# KiCad board OctoCom.kicad_pcb (continued)
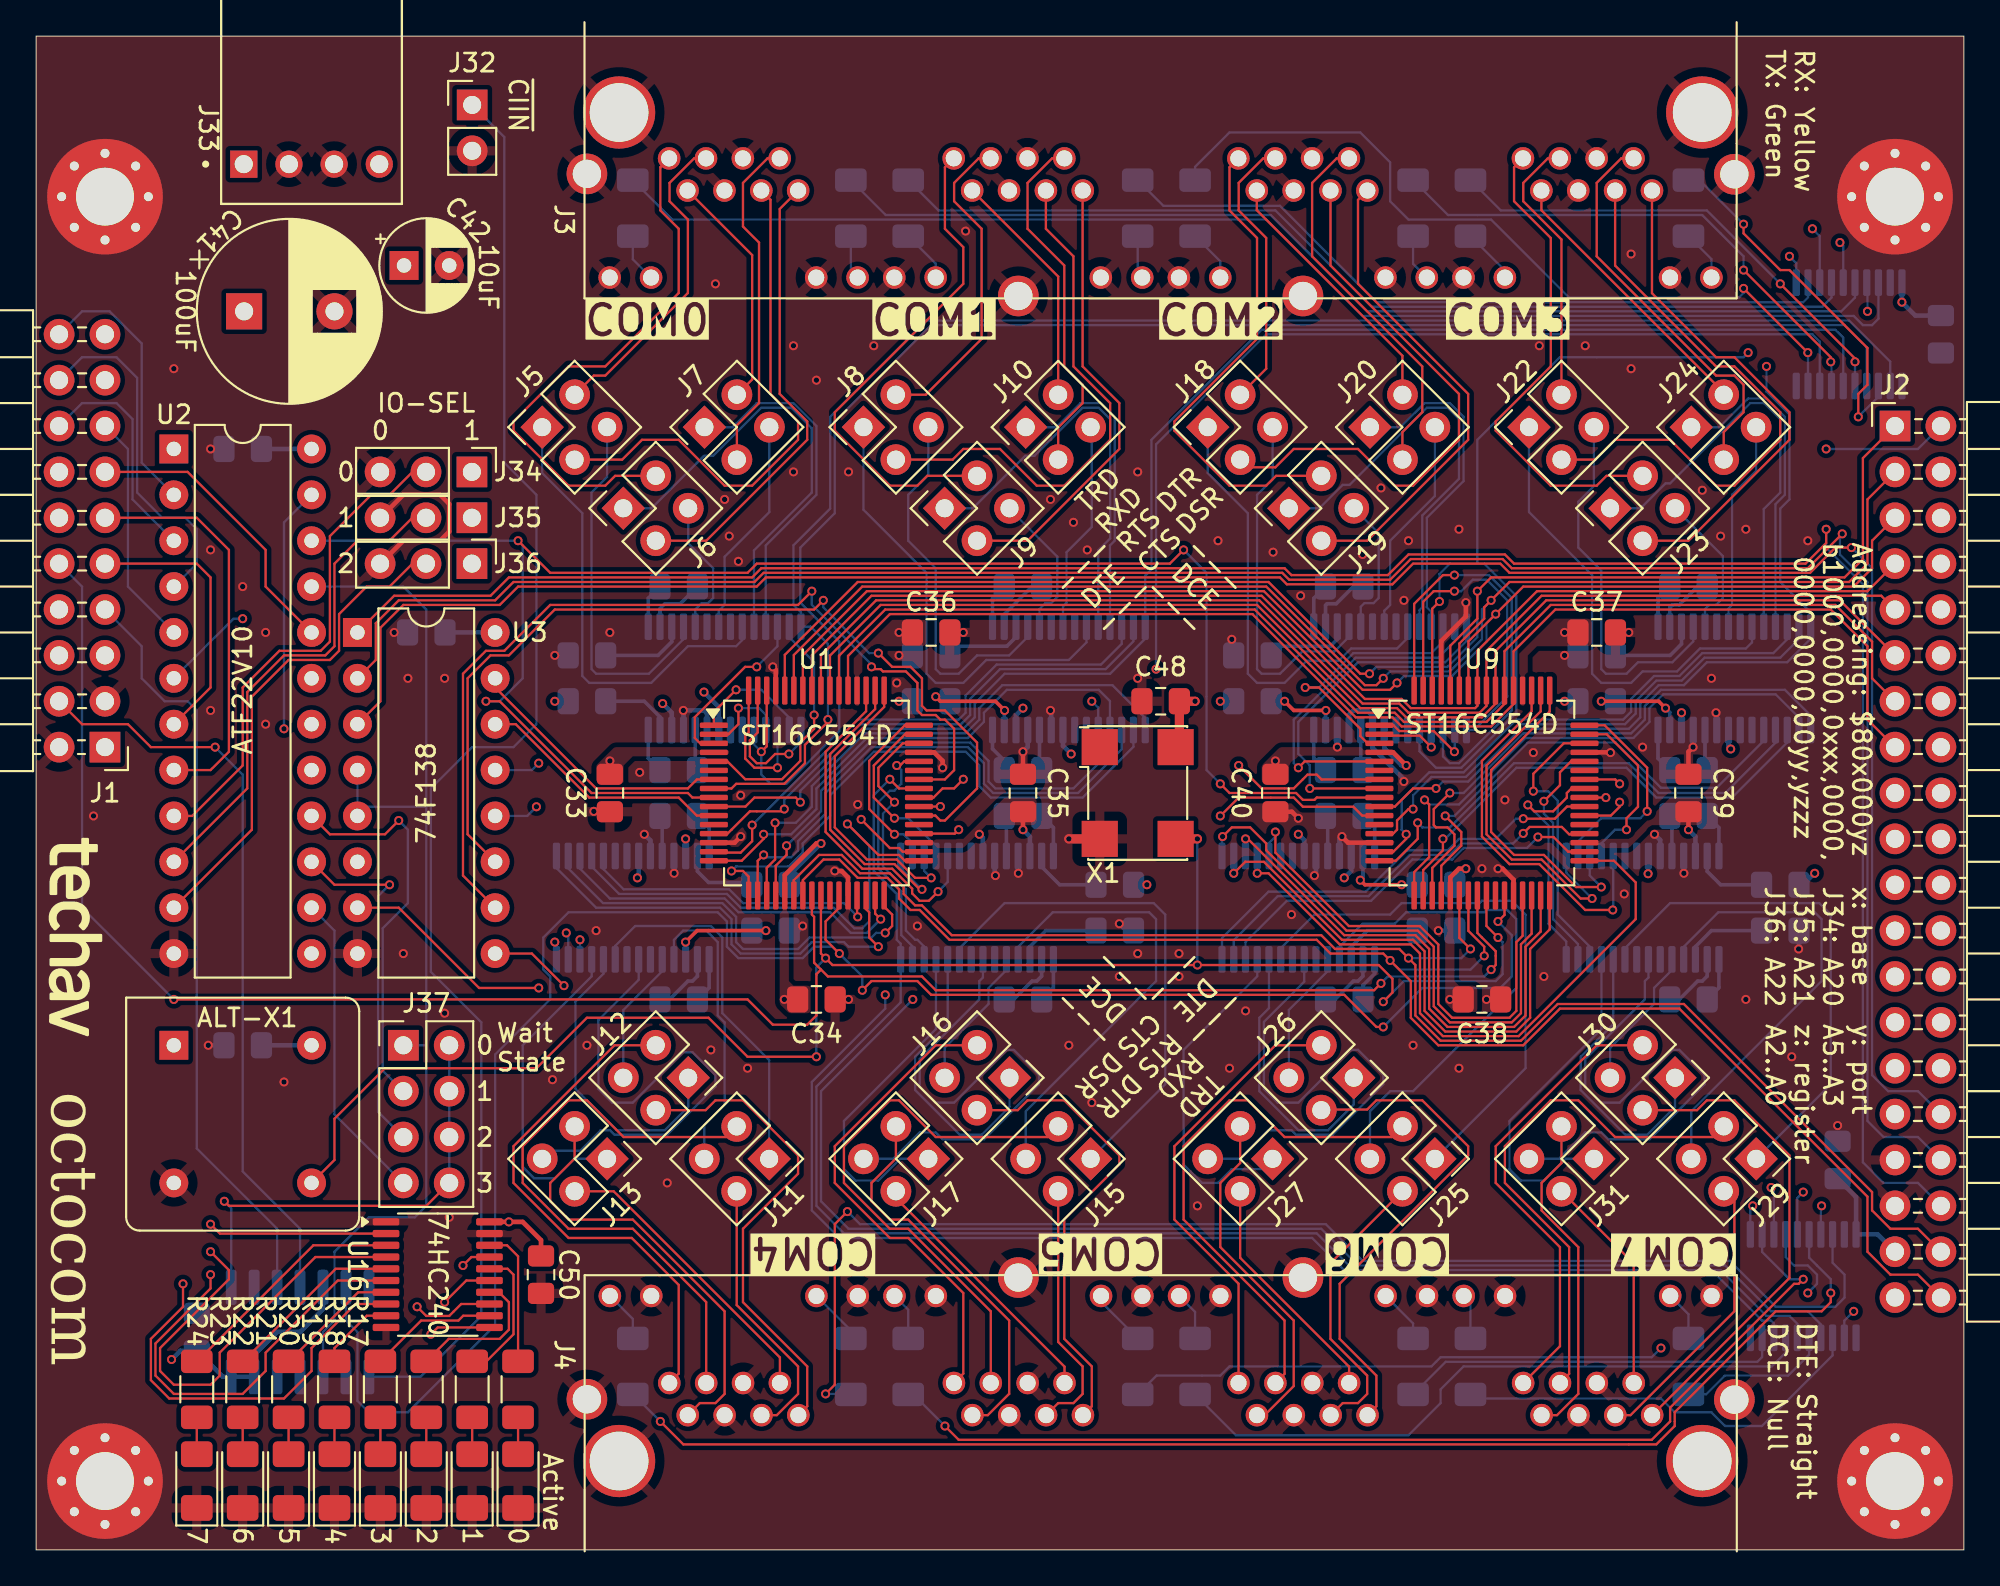
[diagram p0: board, top side]
## Routing (per net, layer and track width the routed paths; a pad name or vN(x,y) marks a point on that pad's centre or on a via; arc(x,y) is an arc through that point) (continued)
/COM7-C1+: length 2.5
  Bottom w0.2: U14.28 93.12,39.99 C29.1
/COM7-C1-: length 2.3
  Bottom w0.2: C29.2 90.53,40.52 U14.24
/COM7-C2+: length 2.5
  Bottom w0.2: U14.1 93.12,31.13 C31.1
/COM7-C2-: length 3.5
  Bottom w0.2: U14.2 92.47,31.77 92.2,31.5 91.95,31.5 90.93,30.48 C31.2
/COM7-CS-LED: length 2
  Top w0.127: D8.2 R24.2
/COM7-CS-LED-R: length 13.1
  Top w0.127: R24.1 8.92,10.44 15.34,16.86 U16.3
/COM7-CTS: length 9.9
  Top w0.127: U9.47 86.92,45.16 88.65,43.43 88.65,41.15 88.01,40.51 v1(88.01,39.88)
  Bottom w0.127: v1(88.01,39.88) 87.38,39.88 86.62,39.13 U14.18
/COM7-CTS232: length 8
  Bottom w0.127: U14.5 90.53,32.1 89.53,31.11 89.53,30.23 87.1,27.79 J30.4
/COM7-DCD: length 18.5
  Top w0.127: U9.49 83.76,46.42 80.52,43.18 80.52,39.75 81.79,38.48 83.44,38.48 85.22,36.7 v1(86.61,36.7)
  Bottom w0.127: v1(86.61,36.7) 85.97,37.34 U14.17
/COM7-DSR: length 12.2
  Top w0.127: U9.48 86.8,45.66 89.15,43.31 v1(89.15,40.89)
  Bottom w0.127: 85.32,38.42 85.32,39.22 86.61,40.51 88.77,40.51 v1(89.15,40.89)
/COM7-DSR232: length 29.5
  Bottom w0.127: J31.4 84.26,21.65 85.72,23.11 86.61,23.11 87,22.73 89.28,22.73 92.33,25.78 92.33,26.29 90.93,27.69 90.55,27.69 87.63,24.77 86.61,24.77 85.72,25.65 85.72,27.18 89.03,30.48 89.03,31.5 89.22,31.69 U14.7
/COM7-DTR: length 15.6
  Top w0.127: U9.46 84.54,44.66 82.85,42.98 v1(82.85,42.01)
  Bottom w0.127: U14.12 85.97,33.4 84.2,35.18 84.2,41.48 83.67,42.01 v1(82.85,42.01)
/COM7-DTR232: length 19.2
  Bottom w0.127: J31.1 84.65,21.65 83.44,20.45 82.17,20.45 81.53,21.08 81.53,23.75 86.62,28.84 U14.11
/COM7-P2: length 29
  Top w0.127: J29.3 92.8,22.86 87.38,22.86 85.34,24.89 83.82,24.89 81.28,22.35 81.28,20.32 84.84,16.76 84.84,9.75 J4.D6
/COM7-P3: length 15.9
  Top w0.127: J29.2 93.98,19.27 93.98,13.21 88.23,7.46 J4.D3
/COM7-P4: length 12.3
  Top w0.127: J4.D2 88.41,15.86 J31.2
/COM7-P6: length 18.6
  Top w0.127: J31.3 84.41,21.42 83.31,20.32 83.31,18.8 85.34,16.76 85.34,8.64 84.16,7.46 J4.D7
/COM7-P7: length 27.1
  Top w0.127: J4.D1 97.03,15.06 97.03,21.84 93.98,24.89 92.46,24.89 91.91,24.35 J30.2
/COM7-P8: length 25.9
  Top w0.127: J30.3 86.36,27.94 80.77,22.35 80.77,20.32 84.33,16.76 84.33,11.28 J4.D8
/COM7-RI: length 19.5
  Top w0.127: v1(86.11,36.07) 85.47,36.07 83.31,38.23 81.66,38.23 80.26,39.62 80.26,43.43 83.26,46.43 U9.50
  Bottom w0.127: U14.15 84.67,37.5 v1(86.11,36.07)
/COM7-RTS: length 13.1
  Top w0.127: U9.44 85.66,43.69 84.96,43.69 84.33,43.05 84.33,42.34 v1(83.44,41.45)
  Bottom w0.127: 85.32,32.7 85.32,33.55 83.95,34.92 83.95,40.26 83.44,40.77 v1(83.44,41.45)
/COM7-RTS232: length 16.5
  Bottom w0.127: J30.1 90.7,24.53 89.15,22.99 87.95,22.99 85.47,25.46 85.47,27.3 87.28,29.11 U14.10
/COM7-RX: length 51
  Top w0.127: U9.51 82.76,46.44 80.01,43.69 80.01,39.5 81.53,37.97 83.19,37.97 85.72,35.43 v1(87.25,35.43)
  In1.Cu w0.127: v1(87.25,35.43) 92.71,29.97 92.71,25.4 89.92,22.61 89.92,20.83 92.46,18.29 98.04,18.29 v1(98.81,19.05)
  Bottom w0.127: U14.19 87.28,35.46 v1(87.25,35.43) ; v1(98.81,19.05) 98.76,19.01 U15.17
/COM7-RX232: length 25.5
  Bottom w0.127: U14.4 91.17,33.39 93.09,35.31 98.42,35.31 98.81,34.92 98.81,31.5 91.59,24.28 J29.4
/COM7-RX-lED: length 2.5
  Bottom w0.127: J4.D12 79.38,13.68 R16.2
/COM7-RX-LED-R: length 23.4
  Bottom w0.127: U15.3 99.41,10.77 95.5,6.86 93.47,6.86 92.71,7.62 90.68,7.62 89.92,8.38 79.6,8.38 R16.1
/COM7-TX: length 55.2
  Top w0.127: v1(82.55,41.25) 82.91,40.89 83.95,40.89 84.71,41.66 84.71,41.91 84.96,42.16 U9.41
  In1.Cu w0.127: v1(82.55,41.25) 82.91,40.89 84.07,40.89 86.36,43.18 86.36,44.2 87.38,45.21 89.41,45.21 99.06,35.56 99.06,21.59 97.79,20.32 v1(97.79,19.81)
  Bottom w0.127: U15.15 97.47,19.49 v1(97.79,19.81) ; v1(82.55,41.25) 83.69,40.11 83.69,34.67 84.67,33.69 U14.14
/COM7-TX232: length 28.5
  Bottom w0.127: J29.1 99.31,25.78 99.31,35.18 98.68,35.81 90.42,35.81 87.92,33.31 87.92,32.7
/COM7-TX-LED: length 2.8
  Bottom w0.127: J4.D10 91.44,13.05 R15.2
/COM7-TX-LED-R: length 8.5
  Bottom w0.127: R15.1 92.41,8.61 93.45,9.65 96.96,9.65 98.12,10.81 98.12,11.74
/COM7-V+: length 4.2
  Bottom w0.2: U14.27 92.47,37.57 93.22,36.83 C30.1
/COM7-V-: length 4.7
  Bottom w0.2: 91.82,32.7 91.82,33.4 92.71,34.29 C32.1
/COM-CLK: length 96.8
  Top w0.127: ALT-X1.5 16.51,21.59 16.51,23.88 19.3,26.67 27.69,26.67 30.48,29.46 37.21,29.46 39.37,27.3 v1(43.18,27.3) ; v1(80.9,33.91) 80.26,34.55 U9.25 ; v1(74.55,30.35) 75.06,30.86 75.06,31.62 74.29,32.38 v1(64.26,32.38) 44.07,32.38 v1(43.69,32.77) 43.43,33.02 U1.25
  Top w0.508: 62.96,39.37 v1(64.26,39.37)
  Bottom w0.127: v1(64.26,39.37) v1(64.26,32.38) ; v1(43.18,27.3) 43.18,32.26 v1(43.69,32.77) ; v1(80.9,33.91) 81.15,33.65 81.15,31.88 80.77,31.5 75.69,31.5 v1(74.55,30.35)
/CPU-A0: length 112.7
  Top w0.127: U1.24 42.93,35.18 43.05,35.06 43.05,32.51 43.43,32.13 ; v1(80.52,32.13) 80.77,32.38 80.77,33.15 79.76,34.16 U9.24 ; 43.43,32.13 43.18,31.88 43.18,29.59 42.67,29.08 40.77,29.08 39.37,30.48 v1(7.62,30.48) ; 43.43,32.13 43.81,31.75 49.02,31.75 49.78,30.99 74.04,30.99 v1(74.42,31.37)
  Bottom w0.127: J1.10 2.54,53.34 2.54,35.56 v1(7.62,30.48) ; v1(80.52,32.13) 80.14,31.75 74.8,31.75 v1(74.42,31.37)
/CPU-A1: length 88.7
  Top w0.127: U1.23 42.43,37.08 43.57,38.23 44.45,38.23 45.47,37.21 47.12,37.21 47.75,36.58 47.75,36.07 48.39,35.43 48.89,35.43 50.55,33.78 70.87,33.78 71.63,33.02 74.55,33.02 v1(74.93,32.64) 76.07,31.5 76.07,29.46 77.6,27.94 82.3,27.94 84.33,29.97 90.93,29.97 101.35,19.56 101.35,16.51 102.62,15.24 104.14,15.24 J2.40 ; U9.23 79.26,34.28 80.14,33.4 v1(80.14,32.89)
  Bottom w0.127: v1(74.93,32.64) 75.44,32.13 79.38,32.13 v1(80.14,32.89)
/CPU-A2: length 85
  Top w0.127: J2.38 104.14,17.78 102.62,17.78 101.6,18.8 101.6,19.81 91.19,30.23 84.2,30.23 82.17,28.19 77.72,28.19 76.33,29.59 76.33,32.38 v1(75.95,32.77) 75.44,33.27 71.88,33.27 71.12,34.04 50.67,34.04 49.02,35.69 48.64,35.69 48.01,36.32 48.01,36.7 47.24,37.46 45.59,37.46 44.58,38.48 43.33,38.48 41.93,37.08 U1.22 ; U9.22 78.76,33.89 v1(79.38,33.27)
  Bottom w0.127: v1(79.38,33.27) 78.87,32.77 v1(75.95,32.77)
/CPU-A3: length 126
  Top w0.127: U3.1 19.81,52.83 25.15,52.83 26.16,53.85 39.62,53.85 40.13,54.36 69.09,54.36 69.47,53.97 74.8,53.97 75.95,55.12 81.28,55.12 81.79,54.61 97.92,54.61 99.06,55.75 v1(99.06,56.52)
  Bottom w0.127: v1(99.06,56.52) 99.06,55.5 101.09,53.47 101.09,21.46 102.23,20.32 104.14,20.32 J2.36
/CPU-A4: length 125.6
  Top w0.127: U3.2 18.8,49.28 18.8,51.31 20.07,52.58 25.4,52.58 26.42,53.59 39.75,53.59 40.26,54.1 68.96,54.1 69.34,53.72 74.93,53.72 76.07,54.86 81.15,54.86 81.66,54.36 98.04,54.36 v1(99.95,56.26)
  Bottom w0.127: J2.34 104.14,22.86 102.23,22.86 101.35,23.75 101.35,53.59 99.82,55.12 99.82,56.13 v1(99.95,56.26)
/CPU-A5: length 124.2
  Top w0.127: v1(100.46,55.5) 99.57,55.5 98.17,54.1 81.53,54.1 81.03,54.61 76.2,54.61 75.06,53.47 69.22,53.47 68.83,53.85 40.39,53.85 39.88,53.34 26.67,53.34 25.65,52.32 20.32,52.32 19.05,51.05 19.05,46.99 U3.3
  Bottom w0.127: v1(100.46,55.5) 101.6,54.36 101.6,26.29 102.49,25.4 104.14,25.4 J2.32
/CPU-A20: length 104.7
  In1.Cu w0.127: v1(99.06,60.96) 96.52,60.96 87.38,51.82 82.55,51.82 81.91,51.18 80.14,51.18 79.76,51.56 34.29,51.56 33.27,52.58 17.02,52.58 16.51,52.07 11.94,52.07 v1(11.43,51.56)
  Bottom w0.127: v1(99.06,60.96) 104.14,60.96 J2.2 ; U2.6 10.92,51.56 v1(11.43,51.56)
/CPU-A21: length 15.1
  Top w0.127: J1.9 8.89,54.61 9.65,53.85 9.65,47.75 U2.7
/CPU-A22: length 22.2
  Top w0.127: U2.8 9.65,43.18 10.67,44.2 10.67,55.37 8.89,57.15 J1.11
/CPU-A23: length 16.3
  Top w0.127: U2.20 12.7,53.34 12.7,55.37 8.38,59.69 J1.13
/CPU-A31: length 13
  Bottom w0.127: J1.15 5.08,60.96 5.08,53.34 U2.5
/CPU-CLK: length 18.1
  In1.Cu w0.127: U2.1 5.71,59.05 5.71,46.35 J1.1
/CPU-D24: length 73.3
  Top w0.127: U1.53 44.93,49.5 47.24,51.82 67.31,51.82 73.03,46.1 75.06,46.1 75.56,45.59 80.52,45.59 81.76,46.83 U9.53 81.76,49.76 84.07,52.07 99.31,52.07 101.35,50.04 101.35,45.97 J2.15
/CPU-D25: length 71.8
  Top w0.127: U1.54 44.43,49.51 46.99,52.07 67.44,52.07 73.15,46.35 75.18,46.35 75.69,45.85 80.26,45.85 81.26,46.84 U9.54 81.26,49.76 83.82,52.32 99.57,52.32 101.6,50.29 101.6,48.26 J2.13
/CPU-D26: length 70.3
  Top w0.127: U1.55 43.93,49.52 46.74,52.32 67.56,52.32 73.28,46.61 75.31,46.61 75.82,46.1 80.01,46.1 80.76,46.85 U9.55 80.76,49.77 83.57,52.58 99.82,52.58 J2.11
/CPU-D27: length 70
  Top w0.127: J2.9 102.11,52.83 83.31,52.83 80.26,49.78 U9.56 80.26,46.73 79.88,46.35 75.95,46.35 75.44,46.86 73.41,46.86 67.69,52.58 46.48,52.58 43.43,49.53 U1.56
/CPU-D28: length 70.9
  Top w0.127: J2.7 101.35,53.09 83.06,53.09 79.76,49.79 U9.57 79.76,46.74 79.63,46.61 76.07,46.61 75.56,47.12 73.53,47.12 67.82,52.83 46.23,52.83 42.93,49.53 U1.57
/CPU-D29: length 76.4
  Top w0.127: U1.58 42.43,49.54 45.97,53.09 67.94,53.09 73.41,47.62 74.93,47.62 v1(75.31,48.01) ; J2.5 101.6,55.88 101.6,54.36 100.58,53.34 82.3,53.34 v1(80.77,51.82) 79.26,50.3 U9.58
  Bottom w0.127: v1(80.77,51.82) 80.26,51.31 80.26,50.29 78.36,48.39 75.69,48.39 v1(75.31,48.01)
/CPU-D30: length 80.4
  Top w0.127: U9.59 78.76,50.18 80.14,51.56 80.14,52.2 v1(80.52,52.58) 81.53,53.59 100.33,53.59 101.35,54.61 101.35,58.17 J2.3 ; U1.59 41.93,49.55 45.72,53.34 68.07,53.34 73.53,47.88 74.17,47.88 v1(74.55,48.26)
  Bottom w0.127: v1(74.55,48.26) 74.93,48.64 78.23,48.64 80.01,50.42 80.01,52.07 v1(80.52,52.58)
/CPU-D31: length 83.8
  Top w0.127: v1(73.79,48.51) 73.28,48.51 68.2,53.59 45.47,53.59 41.43,49.56 U1.60 ; U9.60 78.26,50.07 79.76,51.56 v1(79.76,53.09) 80.52,53.85 100.08,53.85 101.09,54.86 101.09,60.45 J2.1
  Bottom w0.127: v1(79.76,53.09) 79.76,50.55 78.1,48.89 74.17,48.89 v1(73.79,48.51)
/CPU-R/~{W}: length 12.6
  Bottom w0.127: J1.16 2.54,63.5 4.44,63.5 5.33,62.61 5.33,58.17 U2.3
/IO-RESET: length 108.3
  Top w0.127: v1(44.45,33.02) 43.69,33.78 43.69,34.8 44.43,35.54 U1.27 ; v1(74.55,28.96) 74.17,28.96 72.39,30.73 49.53,30.73 48.77,31.5 46.23,31.5 v1(45.72,30.99) ; U9.27 81.26,35.16 v1(80.9,34.8)
  Bottom w0.127: U13.6 17.14,12.7 17.78,12.06 17.78,8.25 18.41,7.62 20.57,7.62 25.4,12.45 25.4,27.43 28.45,30.48 28.45,31.75 28.07,32.13 28.07,33.91 29.46,35.31 37.72,35.31 38.23,34.8 38.23,33.4 38.86,32.77 42.42,32.77 43.05,33.4 44.07,33.4 v1(44.45,33.02) 45.72,31.75 v1(45.72,30.99) ; v1(74.55,28.96) 76.71,31.11 81.03,31.11 81.66,31.75 81.66,34.04 v1(80.9,34.8)
/IOSEL0: length 27.8
  Top w0.127: U2.9 8.64,40.64 11.43,43.43 11.43,47.75 13.46,49.78 15.75,49.78 16.26,50.29 16.26,56.13 18.54,58.42 19.56,58.42 20.83,59.69 J34.2
/IOSEL1: length 27.6
  Top w0.127: U2.10 11.68,42.16 11.68,47.5 13.72,49.53 16,49.53 16.51,50.04 16.51,54.61 17.78,55.88 19.55,55.88 20.82,57.15 J35.2
/IOSEL2: length 27.4
  Top w0.127: U2.11 11.94,39.88 11.94,47.24 13.97,49.28 16.26,49.28 16.76,49.78 16.76,51.82 18.29,53.34 19.56,53.34 20.83,54.61 J36.2
/~{1WS}: length 17.4
  Bottom w0.127: 20.32,20.3 16.51,24.11 16.51,34.29 U2.14
/~{2WS}: length 19.7
  Top w0.127: v1(19.56,36.83) 16.51,36.83 U2.15
  Bottom w0.127: 20.32,22.84 J37.5 18.92,24.26 18.92,36.19 v1(19.56,36.83)
/~{3WS}: length 21.8
  Top w0.127: U2.16 16.26,39.62 19.3,39.62 v1(20.07,40.39)
  Bottom w0.127: v1(20.07,40.39) 20.57,39.88 20.57,35.81 19.18,34.42 19.18,26.53 20.32,25.38
/~{COM0-CS}: length 68.9
  Top w0.127: U1.7 36.56,42.66 36.07,42.16 30.99,42.16 25.4,47.75 U3.15 ; v1(9.65,18.03) 10.17,17.52 U16.2
  In1.Cu w0.127: v1(9.65,18.03) 9.65,19.81 10.92,21.08 10.92,45.97 12.19,47.24 23.11,47.24 24.13,48.26 U3.15
/~{COM1-CS}: length 84.8
  Top w0.127: 25.02,45.72 U3.14 26.54,45.72 30.61,41.66 35.56,41.66 36.56,40.66 U1.11 ; v1(9.65,16.51) 10.67,15.49 10.67,14.99 6.86,11.18 6.86,9.91 7.62,9.14 9.65,9.14 10.16,9.65 10.16,10.92 15.45,16.21 U16.4
  In1.Cu w0.127: v1(9.65,16.51) 11.18,18.03 11.18,45.72 12.45,46.99 23.11,46.99 24.38,45.72 U3.14
/~{COM2-CS}: length 123.9
  Top w0.127: 74.34,42.66 71.13,42.66 70.87,42.93 70.36,42.93 69.6,42.16 67.82,42.16 v1(66.55,43.43) ; U16.6 16.69,14.91 12.7,10.92 12.7,9.91 11.43,8.64 7.62,8.64 6.6,9.65 6.6,11.43 9.65,14.48 v1(9.65,15.24)
  In1.Cu w0.127: v1(66.55,43.43) 64.26,45.72 53.34,45.72 53.09,45.97 47.5,45.97 45.47,48.01 41.91,48.01 38.61,44.7 28.96,44.7 v1(27.81,43.56) ; U3.13 24.13,43.18 20.57,46.74 12.7,46.74 11.43,45.47 11.43,17.02 v1(9.65,15.24)
  Bottom w0.127: U3.13 27.43,43.18 v1(27.81,43.56)
/~{COM3-CS}: length 123.5
  Top w0.127: 74.34,40.66 73.39,40.66 72.9,41.15 70.1,41.15 69.6,41.66 66.55,41.66 v1(65.53,40.64) ; U16.8 17.68,13.61 15.24,11.18 15.24,9.91 13.72,8.38 7.37,8.38 6.35,9.4 6.35,11.68 8.13,13.46 v1(8.13,14.73)
  In1.Cu w0.127: v1(8.13,14.73) 8.38,14.48 9.91,14.48 11.68,16.26 11.68,42.42 13.72,44.45 21.84,44.45 25.4,40.89 U3.12 ; v1(27.69,41.15) 28.19,41.66 37.59,41.66 38.35,40.89 40.13,40.89 40.89,41.66 41.4,41.66 44.45,44.7 48.51,44.7 49.53,43.69 49.53,42.93 49.78,42.67 50.29,42.67 52.07,40.89 65.28,40.89 v1(65.53,40.64)
  Bottom w0.127: v1(27.69,41.15) 27.18,40.64 U3.12
/~{COM4-CS}: length 89.3
  Top w0.127: U3.11 23.88,39.62 23.88,48.26 25.15,49.53 26.16,49.53 28.7,52.07 43.05,52.07 v1(43.56,52.58) ; U1.38 49.76,40.66 50.04,40.39 50.29,40.39 52.07,42.16 52.07,44.7 50.29,46.48 49.28,46.48 49.02,46.74 49.02,48.26 48.39,48.89 47.37,48.89 v1(46.61,49.66) ; v1(21.84,11.94) 22.22,12.31 U16.11
  In1.Cu w0.127: U3.11 22.61,38.1 19.05,34.54 19.05,31.24 17.78,29.97 17.78,13.46 19.3,11.94 v1(21.84,11.94)
  Bottom w0.127: v1(43.56,52.58) 43.56,52.2 46.1,49.66 v1(46.61,49.66)
/~{COM5-CS}: length 80.2
  Top w0.127: v1(42.93,53.09) 42.16,52.32 28.45,52.32 25.91,49.78 24.89,49.78 23.62,48.51 23.62,37.34 U3.10 ; U16.13 23.52,13.61 22.86,12.95 21.59,12.95 v1(21.08,13.46) ; U1.42 50.29,42.66 50.8,43.17 50.8,45.47 50.29,45.97 50.04,45.97 49.78,46.23 49.02,46.23 48.77,46.48 48.77,48.01 48.13,48.64 46.86,48.64 46.74,48.77 46.35,48.77 v1(46.23,48.89)
  In1.Cu w0.127: v1(21.08,13.46) 21.36,13.74 21.36,31.52 U3.10
  Bottom w0.127: v1(46.23,48.89) 46.23,49.02 42.93,52.32 v1(42.93,53.09)
/~{COM6-CS}: length 96.4
  Top w0.127: U9.38 87.14,40.66 87.63,41.15 v1(87.63,41.4) ; U3.9 27.43,33.02 v1(29.21,31.24) ; v1(22.61,13.72) 23.8,14.91 U16.15
  In1.Cu w0.127: v1(87.63,41.4) 87.63,40.89 82.8,36.07 55.63,36.07 49.28,29.72 38.86,29.72 37.85,30.73 29.72,30.73 v1(29.21,31.24) ; U3.9 23.62,33.02 21.61,31.01 21.61,14.71 v1(22.61,13.72)
/~{COM7-CS}: length 118.4
  Top w0.127: U16.17 24.09,16.21 v1(23.62,15.75) ; v1(27.81,31.11) 24.51,31.11 20.07,35.56 U3.7 ; U9.42 87.39,42.66 v1(87.63,42.42)
  In1.Cu w0.127: v1(87.63,42.42) 88.14,42.42 88.65,41.91 88.65,41.4 83.06,35.81 55.88,35.81 49.53,29.46 38.61,29.46 37.85,30.23 28.7,30.23 v1(27.81,31.11) ; U3.7 18.8,34.54 18.8,31.5 17.53,30.23 17.53,13.21 19.56,11.18 22.61,11.18 24.13,12.7 24.13,15.24 v1(23.62,15.75)
/~{CPU-AS}: length 15
  Bottom w0.127: J1.20 2.54,68.58 4.06,68.58 5.84,66.8 5.84,60.2 U2.2
/~{CPU-CIIN}: length 81.1
  Bottom w0.127: U13.8 21.27,9.59 24.64,12.95 24.64,29.21 21.84,32 21.84,42.16 24.13,44.45 26.42,44.45 27.69,45.72 27.69,58.42 25.91,60.2 25.91,78.23 J32.1
/~{CPU-DSACK0}: length 42.2
  Bottom w0.127: U13.3 13.33,17.78 8.89,22.22 8.89,46.48 8.38,46.99 7.11,46.99 5.84,48.26 5.84,50.04 J1.7
/~{CPU-DS}: length 19.5
  Bottom w0.127: J1.18 2.54,66.04 4.44,66.04 5.59,64.9 5.59,58.55 6.98,57.15 8.25,57.15 8.89,56.52 8.89,54.61 U2.4
/~{CPU-RESET}: length 41.5
  Top w0.127: v1(9.91,44.45) 6.35,44.45 5.08,45.72 2.54,45.72 J1.4
  Bottom w0.127: v1(9.91,44.45) 11.43,42.93 11.43,20.95 14.6,17.78 U13.4
/~{IO-CE}: length 61
  Bottom w0.127: U2.21 20.32,53.34 21.59,52.07 21.59,27.94 ; 21.59,41.15 18.29,41.15 U3.5 U3.4 ; J37.1 21.59,27.94 ; 21.59,27.94 21.59,19.05 20.95,18.41 18.41,18.41 16.51,16.51 16.51,12.7 15.88,12.06 15.88,9.59
/~{IORD}: length 101.4
  Top w0.127: U9.40 86.86,41.66 v1(86.87,41.66) ; v1(51.31,42.67) 50.8,42.16 50.16,42.16 49.66,41.66 U1.40
  In1.Cu w0.127: v1(13.72,45.47) 13.72,44.96 13.97,44.7 22.1,44.7 24.89,41.91 37.85,41.91 38.61,41.15 39.88,41.15 40.64,41.91 41.27,41.91 44.32,44.96 50.04,44.96 51.31,43.69 v1(51.31,42.67) 52.7,41.27 65.91,41.27 68.83,38.35 74.93,38.35 76.96,36.32 82.55,36.32 86.87,40.64 v1(86.87,41.66)
  Bottom w0.127: U2.23 13.72,56.9 v1(13.72,45.47)
/~{IOWR}: length 97.6
  Top w0.127: v1(63.5,55.37) 62.74,54.61 39.88,54.61 39.37,54.1 28.45,54.1 v1(26.67,55.88) ; U1.9 36.32,41.66 36.07,41.91 30.73,41.91 25.65,46.99 v1(24.89,46.99) ; 74.34,41.66 70.87,41.66 70.74,41.53 70.1,41.53 69.72,41.91 66.04,41.91 v1(65.53,42.42)
  Bottom w0.127: v1(65.53,42.42) 64.77,43.18 64.77,54.1 v1(63.5,55.37) ; U2.22 v1(26.67,55.88) 26.92,55.63 26.92,48.26 25.65,46.99 v1(24.89,46.99)
Net-(J37-Pin_2): length 25.6
  Top w0.127: v1(10.41,19.3) 10.67,19.05 21.59,19.05 J37.8
  Bottom w0.127: J37.4 J37.2 ; 22.86,25.38 22.86,20.3 ; v1(10.41,19.3) 10.8,18.92 10.8,14.54

## Copper pours and planes (outline as drawn; the poured copper is in the pictures)
GND on Top, Bottom, In2.Cu: -5.08,91.44 111.76,91.44 111.76,-7.62 -5.08,-7.62
VCC on Top: 45.21,46.74 45.21,49.78 46.99,51.56 49.28,51.56 49.28,50.04 46.23,50.04 45.72,49.53 45.72,46.74
VCC on Top: 82.04,46.74 82.04,49.78 83.82,51.56 86.11,51.56 86.11,50.04 83.06,50.04 82.55,49.53 82.55,46.74
VCC on Top: 67.82,42.16 69.34,42.16 69.34,43.43 69.85,43.94 75.18,43.94 75.18,44.45 68.83,44.45 67.82,43.43
VCC on Top: 77.98,37.08 77.98,30.23 78.49,29.72 79.76,29.72 79.76,31.24 78.74,31.24 78.49,31.5 78.49,37.08
VCC on Top: 30.99,42.16 32.51,42.16 32.51,43.43 33.02,43.94 38.35,43.94 38.35,44.45 32,44.45 30.99,43.43
VCC on Top: 84.84,39.37 84.84,38.86 88.14,38.86 89.41,40.13 92.2,40.13 92.2,41.66 90.42,41.66 88.14,39.37
VCC on Top: 41.15,37.08 41.15,30.23 41.66,29.72 42.93,29.72 42.93,31.24 41.91,31.24 41.66,31.5 41.66,37.08
VCC on Top: 48.01,39.37 48.01,38.86 51.31,38.86 52.58,40.13 55.37,40.13 55.37,41.66 53.59,41.66 51.31,39.37
VCC on In1.Cu: -2.54,88.9 109.22,88.9 109.22,-5.08 -2.54,-5.08

## Text on the board
F.Silkscreen: RTS / CTS | TRD / RXD | --- / DTE / --- | RX: Yellow / TX: Green | z: register / A2..A0 | Addressing: $80x000yz / b1000,0000,0xxx,0000, / 0000,0000,00yy,yzzz | x: base / J34: A20 / J35: A21 / J36: A22 | y: port / A5..A3 | 7 | 6 | 5 | 4 | 3 | 2 | 1 | 0 | ~{CIIN} | Active | Wait / State | IO-SEL | DTR / DSR | --- / DCE / --- | DTE: Straight / DCE: Null | COM0 | COM1 | COM2 | COM3 | COM4 | COM5 | COM6 | COM7 | octocom
